# Altium PCB PCB.PcbDoc
Units mm, origin at the board's own origin, x right, y up, seen from the top; angles counter-clockwise.
Board outline 90 x 80 mm, 4 copper layers (Top Layer, Layer 1, Layer 2, Bottom Layer), stack 1.586 mm thick; 63 components, 59 nets, 272 pads, 100 vias.
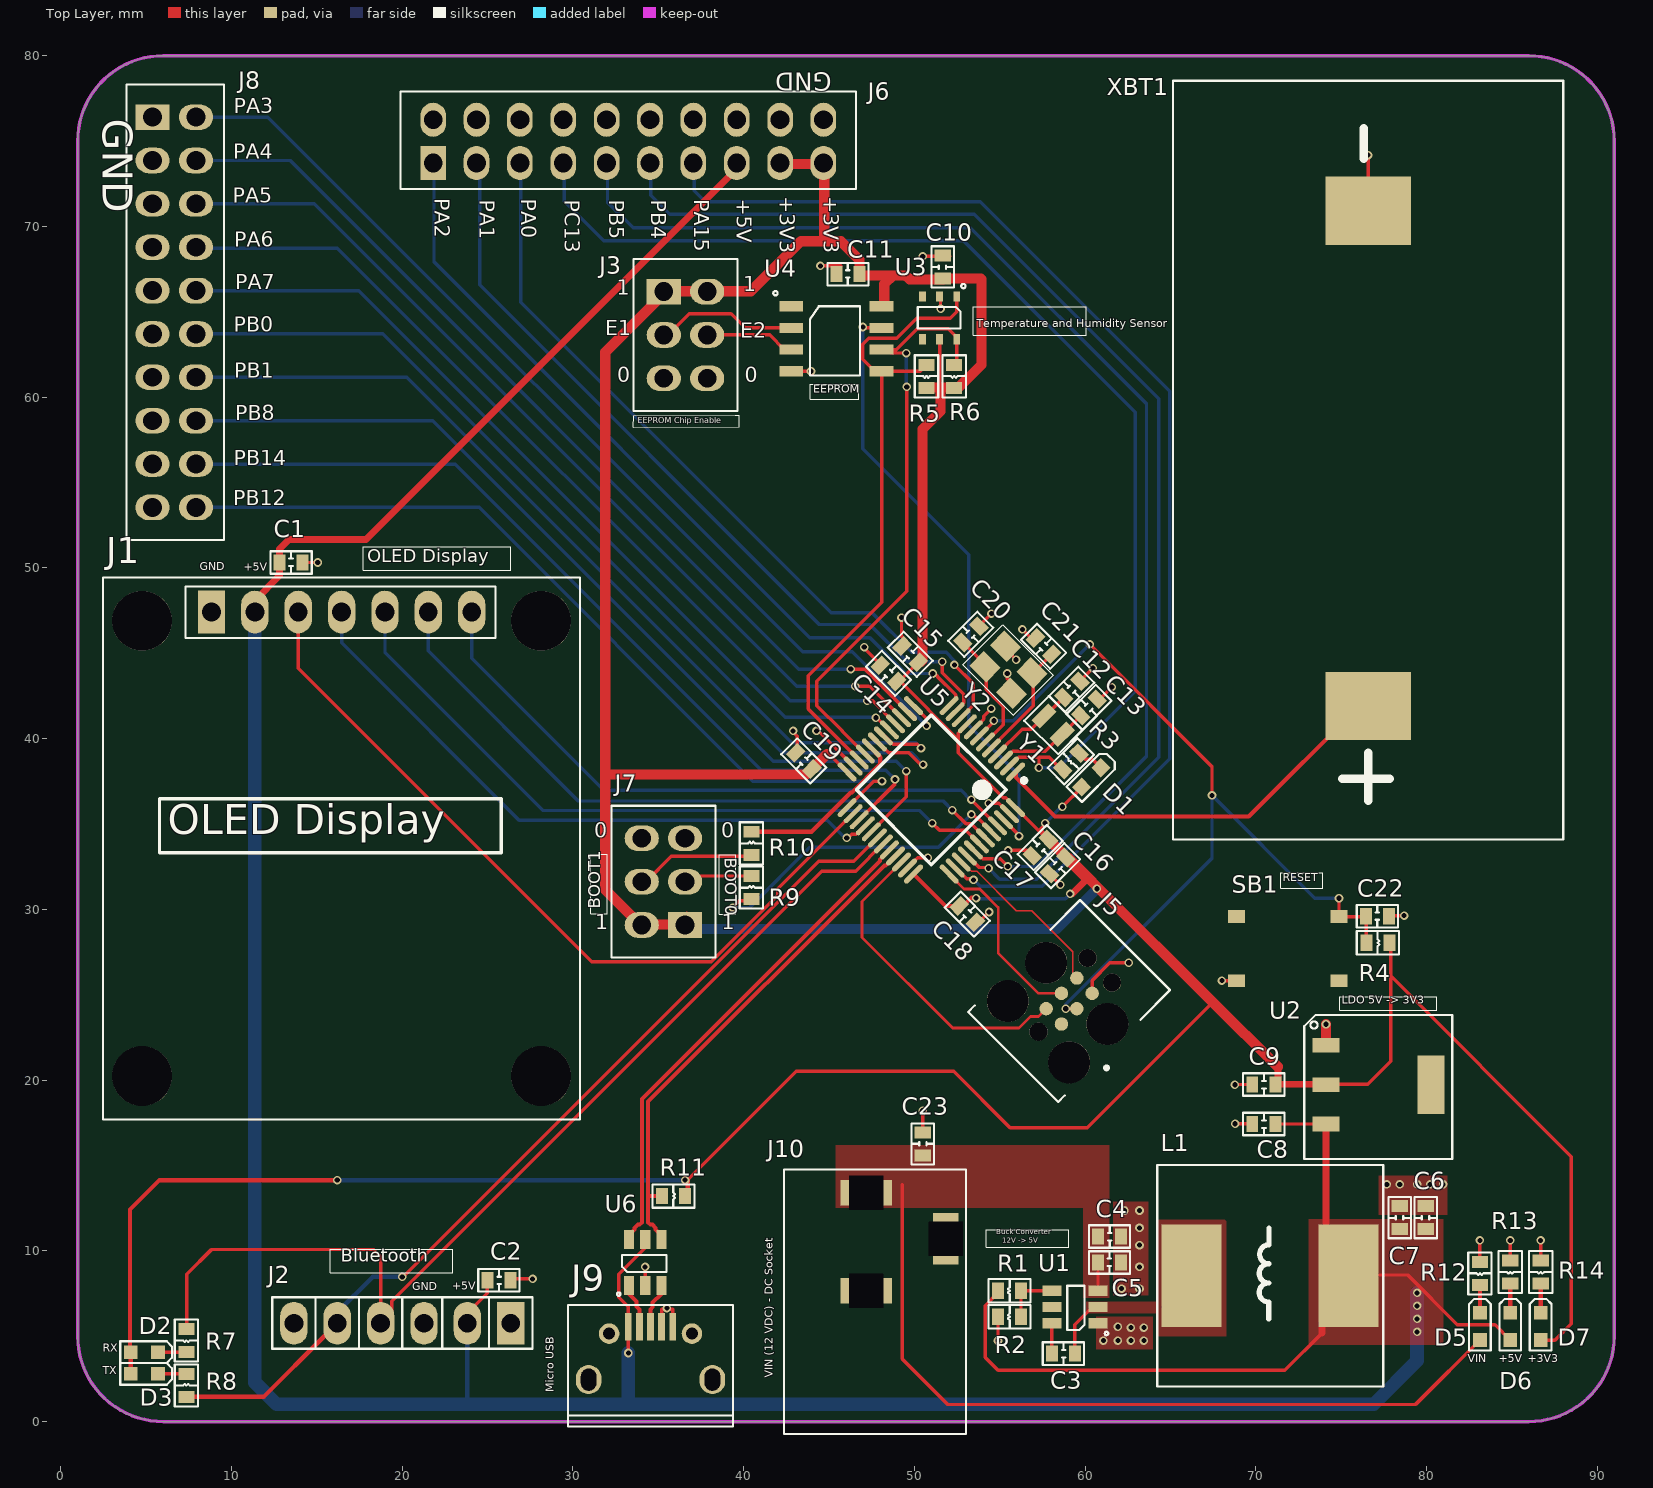
[diagram p0: Top Layer view]
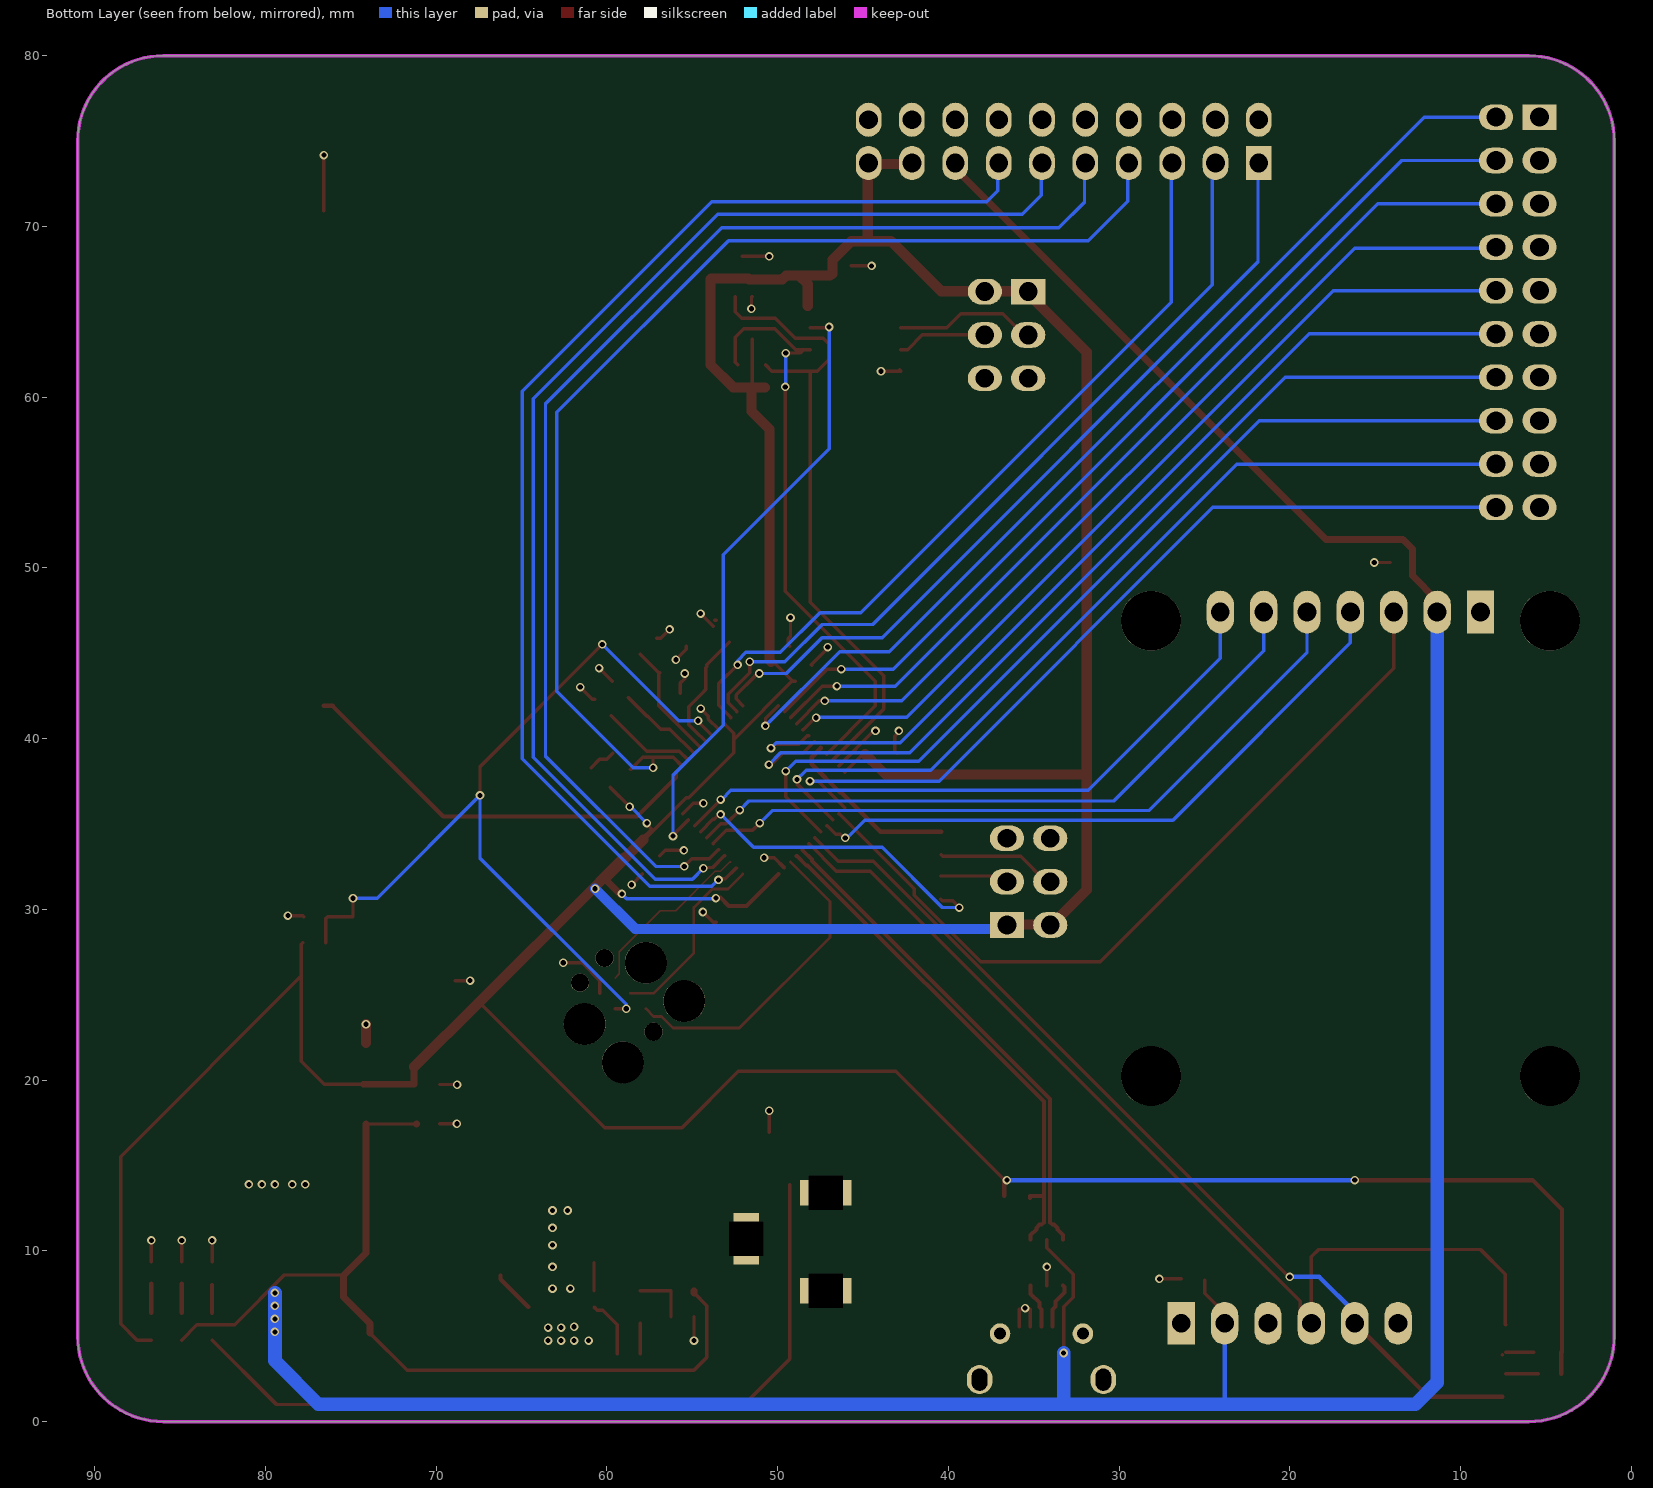
[diagram p1: Bottom Layer view, seen from below]
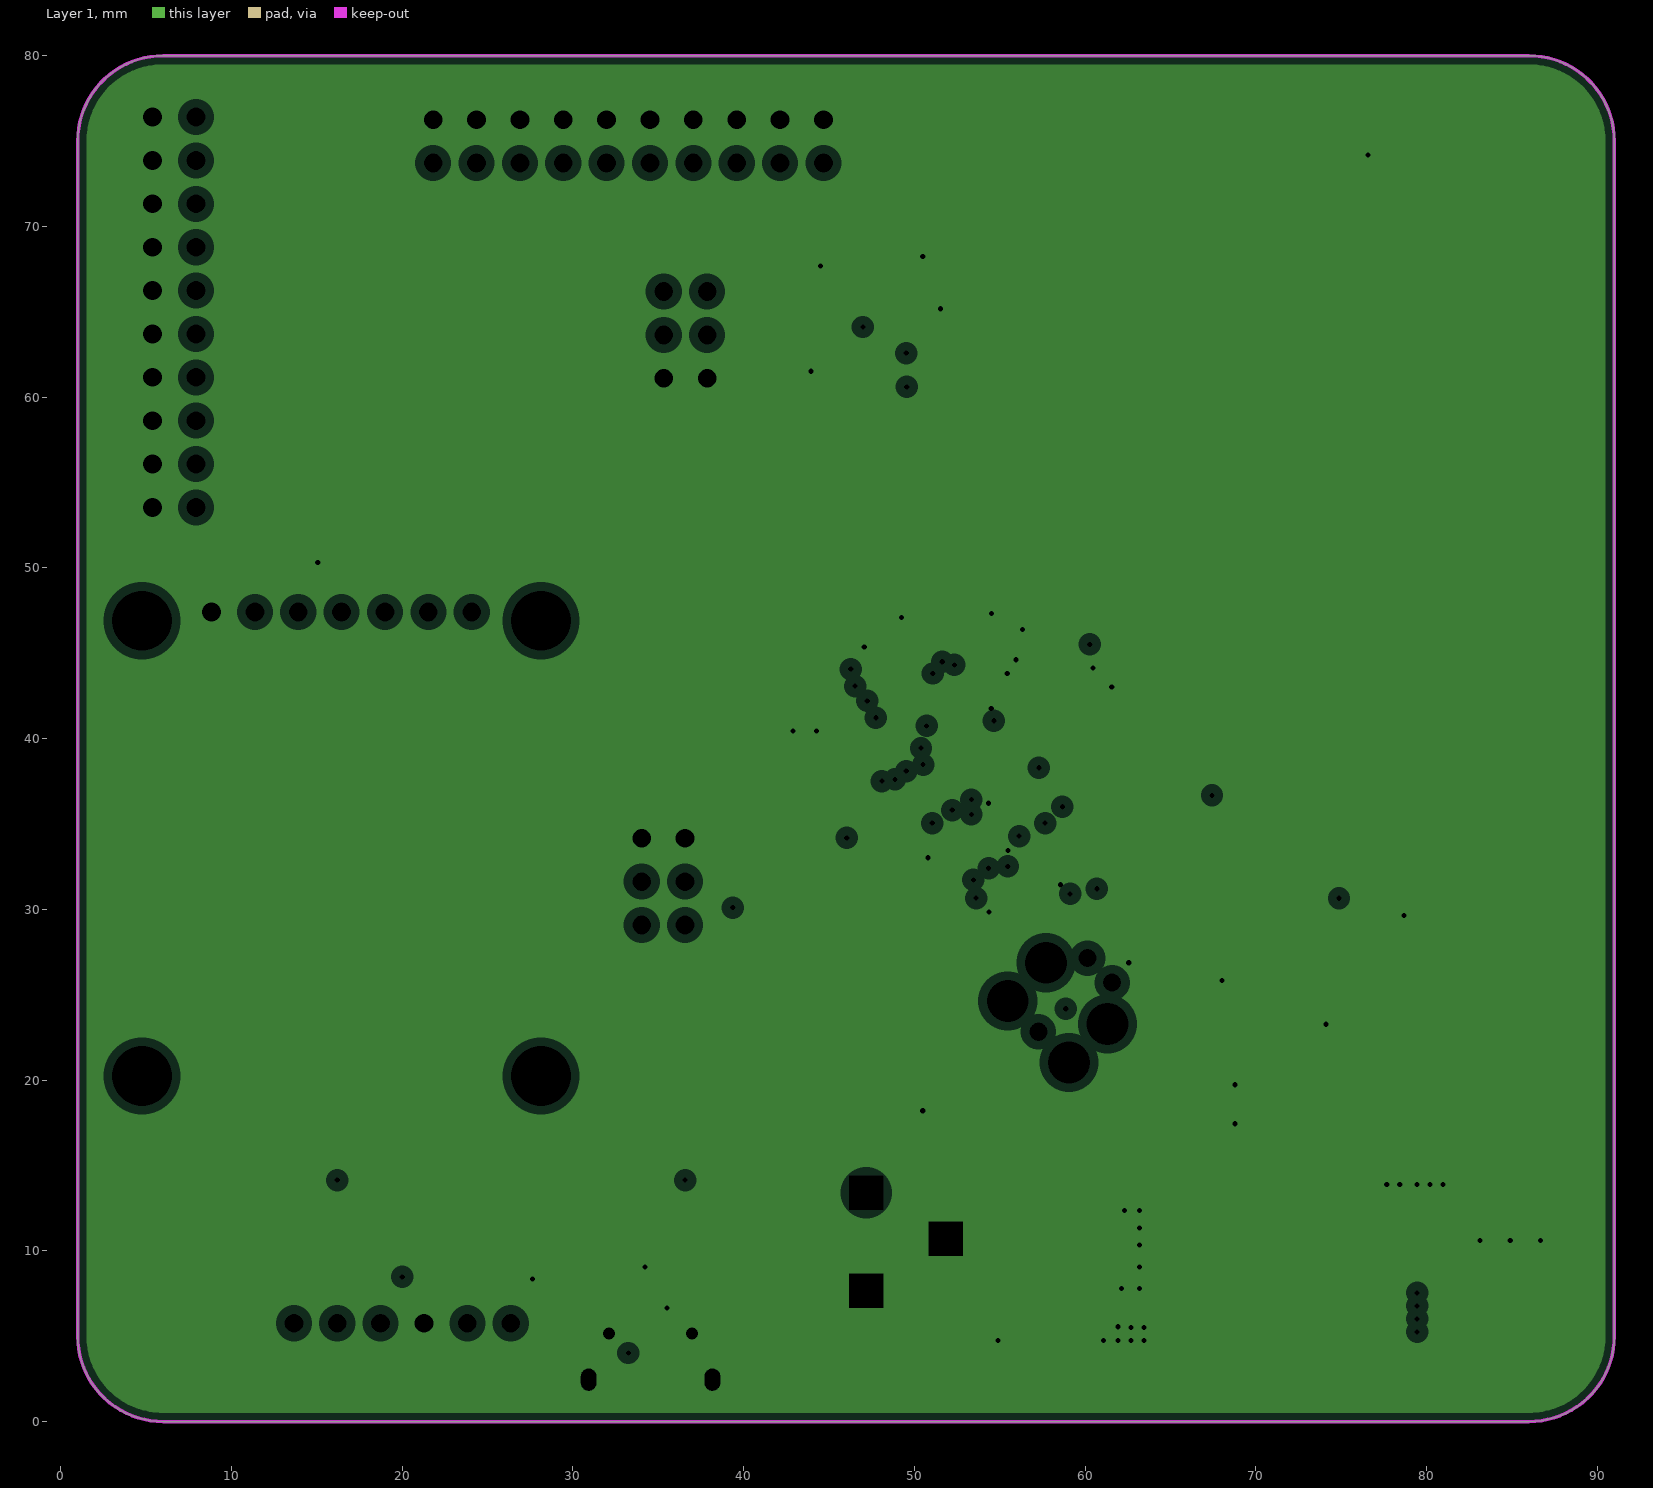
[diagram p2: Layer 1, clearances drawn from the general rule]
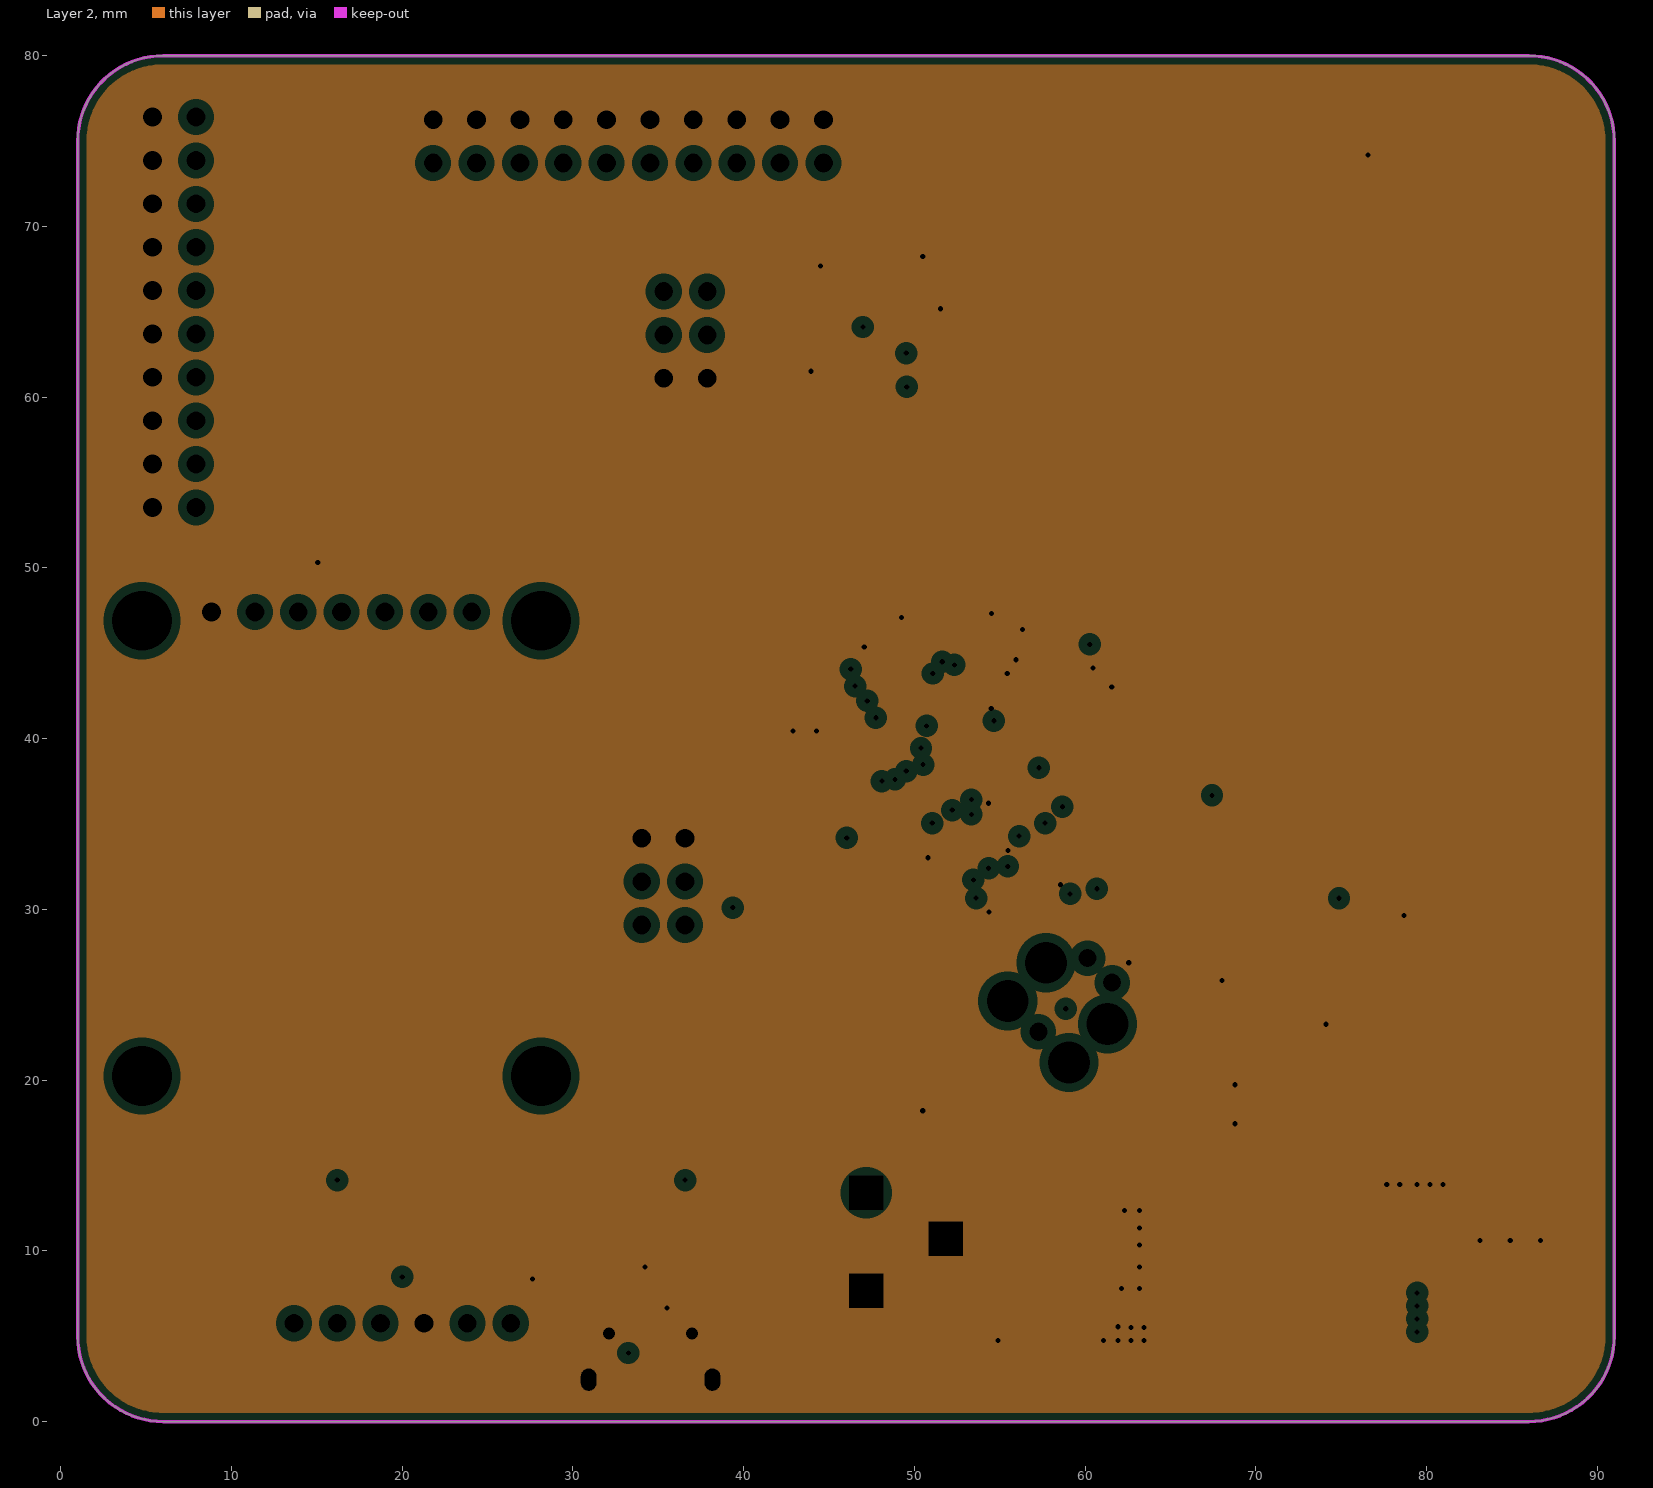
[diagram p3: Layer 2, clearances drawn from the general rule]
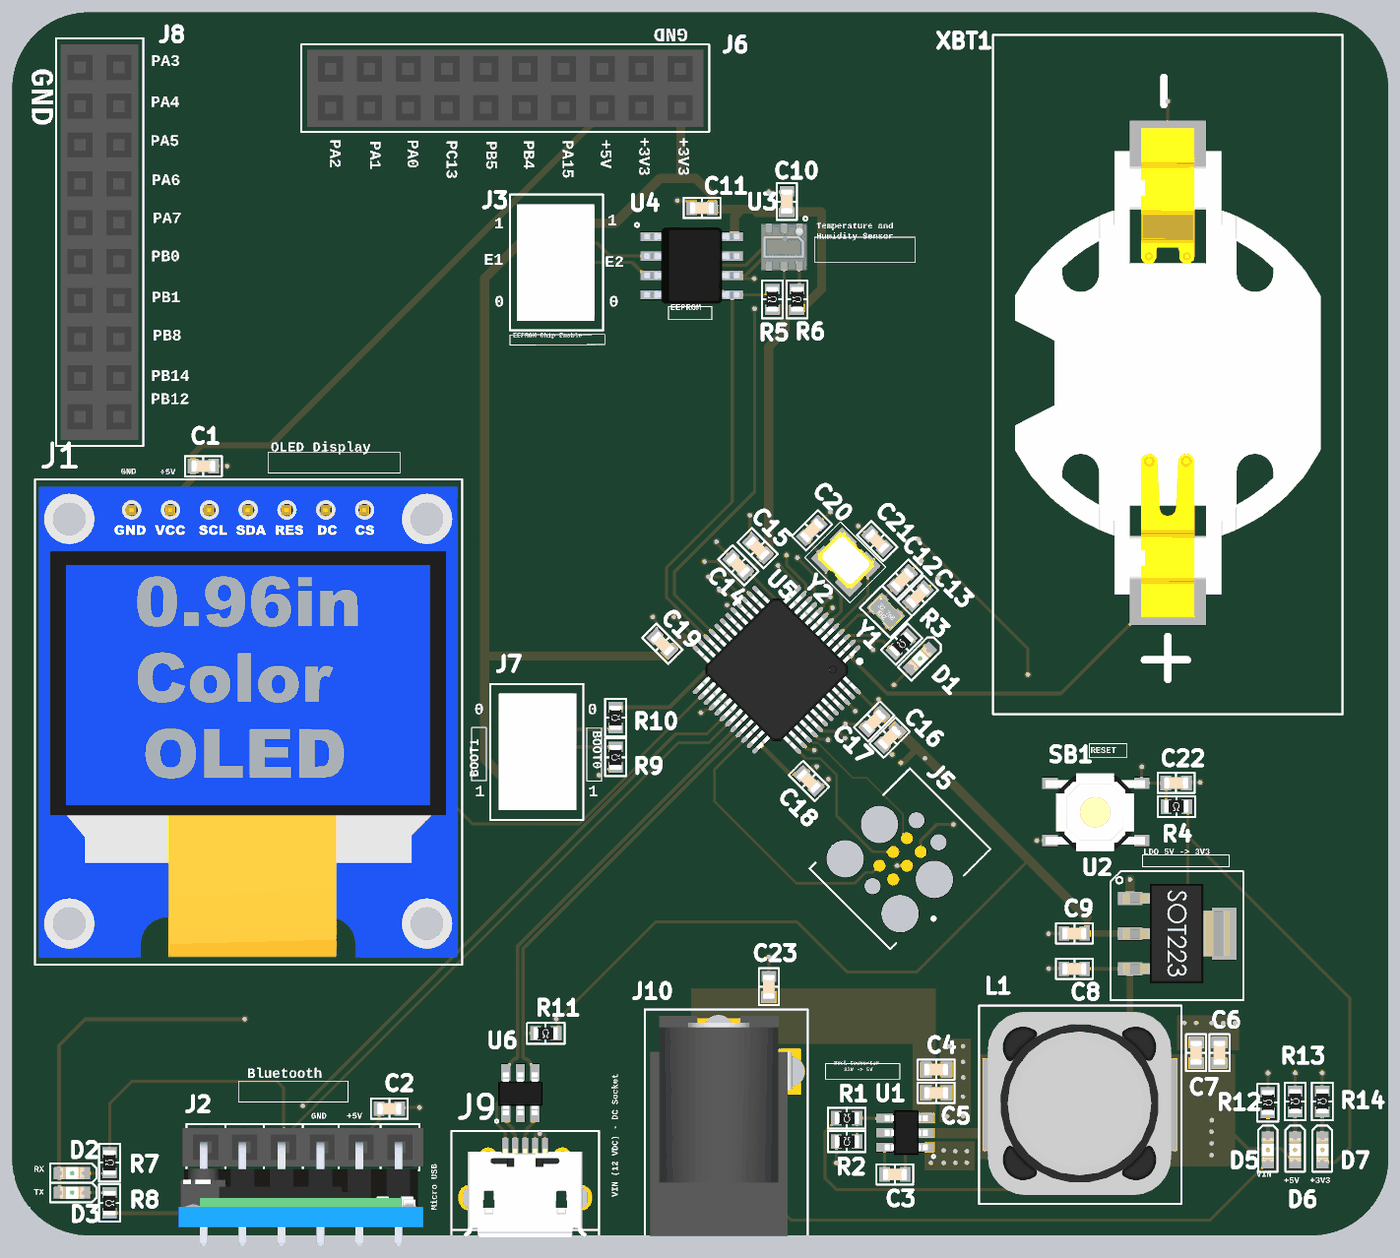
[diagram p4: 3D render of the assembled board from above, using the file's embedded part models]

## Layer stack, top to bottom
Top Solder: solder mask 0.0102, Solder Resist, Dk 3.5
Top Layer: signal copper 0.035
Dielectric 2: prepreg 0.2104, PP-023, Dk 4.5
Layer 1: plane copper 0.0152, net GND
Dielectric 1: dielectric 1.065, FR-4, Dk 4.8
Layer 2: plane copper 0.0152, net GND
Dielectric 3: prepreg 0.2104, PP-023, Dk 4.5
Bottom Layer: signal copper 0.035
Bottom Solder: solder mask 0.0102, Solder Resist, Dk 3.5

## Board outline
6,0 cw(c6,5) 1,5 1,75 cw(c6,75) 6,80 86,80 cw(c86,75) 91,75 91,37 91,5 cw(c86,5) 86,0

## Design rules (kind name [scope] priority, off if disabled: settings)
Clearance [All] p1: gap=0.2 ignorepadtopadclearanceinfootprint=FALSE except(0.1: Arc-Arc Arc-Track Track-Track; 0.28: Arc-Hole Track-Hole SMDPad-Hole THPad-Hole Via-Hole Fill-Hole Poly-Hole Region-Hole Text-Hole; 0.3: Arc-Text Track-Text SMDPad-Text THPad-Text Via-Text Fill-Text Poly-Text Region-Text Text-Text)
DiffPairsRouting [InDifferentialPair('USB')] p1: maxlimit=0.127 minlimit=0.127 mostfreqgap=0.127 toplayer_minwidth=0.232 toplayer_maxwidth=0.232 toplayer_prefwidth=0.232 bottomlayer_minwidth=0.232 bottomlayer_maxwidth=0.232 bottomlayer_prefwidth=0.232 impedanceprofiledriven=TRUE impedanceprofileid={CCE5283F-F986-4297-A4DB-CE19BC9F6F1B} maxuncoupledlength=12.7
DiffPairsRouting DiffPairsRouting_1 [InDifferentialPair('USB_UP')] p2: maxlimit=0.127 minlimit=0.127 mostfreqgap=0.127 toplayer_minwidth=0.232 toplayer_maxwidth=0.232 toplayer_prefwidth=0.232 bottomlayer_minwidth=0.232 bottomlayer_maxwidth=0.232 bottomlayer_prefwidth=0.232 impedanceprofiledriven=TRUE impedanceprofileid={CCE5283F-F986-4297-A4DB-CE19BC9F6F1B} maxuncoupledlength=12.7
Height [All] p1: minheight=0 maxheight=50 prefheight=12.7
HoleToHoleClearance [All] p1: gap=0.25 allowstackedmicrovias=TRUE
MinimumAnnularRing [All] p1: minimumring=0.1
MinimumSolderMaskSliver [All] p1: minsoldermaskwidth=0.1
PlaneClearance [All] p1: clearance=0.508
PlaneConnect [All] p1: planeconnectstyle=Direct reliefexpansion=0.508 reliefentries=4 reliefconductorwidth=0.254 reliefairgap=0.254
PolygonConnect [All] p1: connectstyle=Direct reliefconductorwidth=0.254 reliefentries=4 polygonreliefangle="90 Angle" airgapwidth=0.254
RoutingVias [All] p1: holewidth=0.2 width=0.5 viastyle="Through Hole" minholewidth=0.3 minwidth=0.45 maxholewidth=1 maxwidth=1
SilkToSilkClearance [All] p1: silktosilkclearance=0
SilkToSolderMaskClearance [IsPad] p1: minsilkscreentomaskgap=0.11 clearancetoexposedcopper=TRUE
SolderMaskExpansion [All] p1: expansion=0.038
Width [All] p1: maxlimit=5 minlimit=0.09 preferedwidth=0.2 minimp=50.000000 maximp=50.000000 favimp=50.000000
22 further rules are at their usual default settings.

## Classes and differential pairs
component class MCU_: 45 C12 C13 C14 C15 C16 C17 C18 C19 C20 C21 C22 D1 D2 D3 J5 J6 J7 J8 J9 R3 R4 R5 R6 R7 R8 R9 R10 R11 SB1 U5 U6 XBT1 Y1 Y2
component class "EEPROM and Temperature Sensor": C10 C11 J3 U3 U4
component class "Buck Converter and LDO": C3 C4 C5 C6 C7 C8 C9 C23 D5 D6 D7 J10 L1 R1 R2 R12 R13 R14 U1 U2
component class "Bluetooth and OLED Display": C1 C2 J1 J2
differential pair USB: +USB_P -USB_N
differential pair USB_UP: +USB_UP_P -USB_Up_N

## Components (designator, comment, footprint, x,y, rotation, side; value= is the part's Value field where it differs from the comment)
C1 "100nF" "CAP 0603" 14.177,50.317 r180 top
C2 "100nF" "CAP 0603" 24.994,8.28 r0 top
C3 "100nF" "CAP 0603" 58.06,3.98 r0 top
C4 "10uF" "CAP 0603" 60.76,10.838 r0 top
C5 "100nF" "CAP 0603" 62.11,9.314 r180 top
C6 "22uF" "CAP 0603" 79.956,12.616 r270 top
C7 "22uF" "CAP 0603" 78.432,12.616 r270 top
C8 "10uF" "CAP 0603" 69.796,17.428 r0 top
C9 "22uF" "CAP 0603" 69.796,19.742 r0 top
C10 "100nF" "CAP 0603" 51.664,68.304 r270 top
C11 "100nF" "CAP 0603" 46.787,67.208 r180 top
C12 "10pF" "CAP 0603" 59.702,43.365 r225 top
C13 "10pF" "CAP 0603" 60.711,42.304 r225 top
C14 "10 nF" "CAP 0603" 48.013,44.305 r315 top
C15 "1 uF" "CAP 0603" 49.283,45.423 r315 top
C16 "4.7uF" "CAP 0603" 57.919,32.08 r45 top
C17 "100nF" "CAP 0603" 56.903,33.141 r45 top
C18 "100nF" "CAP 0603" 53.583,29.246 r135 top
C19 "100nF" "CAP 0603" 43.053,39.172 r315 top
C20 "10pF" "CAP 0603" 53.785,46.591 r225 top
C21 "10pF" "CAP 0603" 57.096,45.89 r315 top
C22 "100nF" "CAP 0603" 77.8,29.591 r180 top
C23 "100nF" "CAP 0603" 50.492,15.584 r90 top
D1 "LED GREEN" "LED GREEN" 59.8,37.164 r45 top
D2 "LED GREEN" "LED GREEN" 4.102,4.064 r0 top
D3 "LED GREEN" "LED GREEN" 4.102,2.794 r0 top
D5 "LED RED" "LED RED" 83.131,4.773 r90 top
D6 "LED RED" "LED RED" 84.909,4.773 r90 top
D7 "LED RED" "LED RED" 86.687,4.773 r90 top
J1 "Display Male Header" "OLED Display" 8.836,47.414 r0 top
J2 "Bluetooth Female Header" "HC-05 Bluetooth" 26.362,5.758 r180 top
J3 "BOOT0 and BOOT 1 connector" "2X3 Female Pin Header Connector" 35.328,66.058 r0 top
J5 "POGO Pins" SEGGER_8.06.16_J-LINK_6-PIN_NEEDLE_ADAPTER 59.069,24.631 r45 top
J6 "Connector Pinheader Female 10x2" "Connector Pinheader 10x2" 21.819,73.711 r90 top
J7 "BOOT0 and BOOT 1 connector" "2X3 Female Pin Header Connector" 36.576,29.21 r180 top
J8 "Connector Pinheader Female 10x2" "Connector Pinheader 10x2" 5.385,76.403 r0 top
J9 "Connector USB MICRO" "Connector USB MICRO" 34.55,5.556 r90 top
J10 "DC Socket" "DC Socket" 47.19,7.658 r90 top
L1 "68uH" "Inductor SMD,12.3x12.3mm" 66.24,8.552 r90 top
R1 "100kR" "RES 0603" 56.252,7.658 r180 top
R2 "13k3R" "RES 0603" 56.252,6.134 r180 top
R3 "1kR" "RES 0603" 59.651,39.148 r225 top
R4 "10kR" "RES 0603" 76.476,28.044 r0 top
R5 "4.7kR" "RES 0603" 50.715,61.896 r270 top
R6 "4.7kR" "RES 0603" 52.333,61.896 r270 top
R7 "1kR" "RES 0603" 7.366,5.414 r270 top
R8 "1kR" "RES 0603" 7.366,1.444 r90 top
R9 "10kR" "RES 0603" 40.462,30.603 r90 top
R10 "10kR" "RES 0603" 40.462,33.195 r90 top
R11 "4.7kR" "RES 0603" 35.226,13.208 r0 top
R12 "1kR" "RES 0603" 83.131,9.345 r270 top
R13 "1kR" "RES 0603" 84.909,9.425 r270 top
R14 "1kR" "RES 0603" 86.687,9.425 r270 top
SB1 "TS-1187A-B-A-B" Switch 74.876,25.824 r180 top
U1 "TPS54202" SOT-23-6 60.76,5.758 r180 top
U2 "AMS1117-3.3" SOT-223-3L 74.114,22.028 r270 top
U3 "HDC1080" "PWSON(6-pin) DMB" 52.486,65.898 r270 top
U4 "M24M01-RMN6TP" SO8N 48.09,65.329 r270 top
U5 "STM32F103C8T6" STM32F103C8T6 51,37 r225 top
U6 "TPUSBLC6-2SC6" SOT-23-6 33.286,7.964 r90 top
XBT1 "VBAT" "Battery Holder VBAT" 76.581,70.917 r270 top
Y1 "32.768kHz" SMD2012-2P 57.604,41.318 r315 top
Y2 "Crystal 10pF ±10ppm ±15ppm SMD3225" SMD3225-4P 55.348,45.414 r315 top

## Footprints (in the part's own frame and the unit in brackets; to place one, negate y for a bottom-side part, rotate by r counter-clockwise, add the part's x,y. Pads: shape width x height; smd on the part's side, far side on the other; paste and mask are expansions set on the pad)
"2X3 Female Pin Header Connector" [mm]
  rect 2x1.5 hole 1.1: 1(0,0.127)
  oval 2x1.5 hole 1.1: 2(2.54,0.127) 3(0,-2.413) 4(2.54,-2.413) 5(0,-4.953) 6(2.54,-4.953)
  silkscreen extent -1.78,-6.86 4.32,2.03, body extent -1.32,-6.25 3.76,1.39, height 8.93
"Battery Holder VBAT" [mm] "Battery holder CR2032 SMD Button And Strip Battery Connector ROHS"
  rect 4x5 smd: 1(0,0) 2(29,0)
  silkscreen extent -7.62,-11.43 36.83,11.43, body extent -1.5,-10 30.5,10, height 5.3
"CAP 0603" [mm]
  rect 0.7x0.95 smd: 1(0,0) 2(1.35,0)
  silkscreen extent -0.53,-0.66 1.88,0.66, body extent -0.13,-0.4 1.47,0.4, height 0.81
"Connector Pinheader 10x2" [mm] "20 Position Header Connector 0.100\" (2.54mm) Through Hole Gold"
  rect 2x1.5 hole 1.1: 1(0,0)
  oval 2x1.5 hole 1.1: 2(0,-2.54) 3(0,-5.08) 4(0,-7.62) 5(0,-10.16) 6(0,-12.7) 7(0,-15.24) 8(0,-17.78) 9(0,-20.32) 10(0,-22.86) 11(2.54,-22.86) 12(2.54,-20.32) 13(2.54,-17.78) 14(2.54,-15.24) 15(2.54,-12.7) 16(2.54,-10.16) 17(2.54,-7.62) 18(2.54,-5.08) 19(2.54,-2.54) 20(2.54,0)
  silkscreen extent -1.52,-24.77 4.19,1.91, body extent -1.22,-24.38 3.86,1.52, height 8.51
"Connector USB MICRO" [mm] "1.8A USB 2.0 1 Horizontal attachment 5P Mother -20?~+85? Micro-B SMD USB Connectors ROHS"
  rect 1.6x0.4 smd: 1(0,1.3) 2(0,0.65) 3(0,0) 4(0,-0.65) 5(0,-1.3)
  oval 1.7x1.5 hole 0.9 slot 1.3 at 0 deg: SH(-3.1,3.625) SH(-3.1,-3.625)
  round 1.2 hole 0.7: SH(-0.406,2.425) SH(-0.406,-2.425)
  silkscreen extent -5.84,-4.83 1.27,4.83, body extent -5.69,-4.02 0.11,4.03, height 2.7
"DC Socket" [mm]
  rect 1.5x3 hole 2 square: 1(5.75,0) 2(0,0)
  rect 3x1.5 hole 2 square: 3(3.05,-4.65)
  silkscreen extent -8.38,-5.84 7.11,4.83, body extent -7.71,-4.83 6.69,4.47, height 11.5
"HC-05 Bluetooth" [mm]
  rect 1.6x2.5 hole 1.1: 1(0,0)
  oval 1.6x2.5 hole 1.1: 2(2.54,0) 3(5.08,0) 4(7.62,0) 5(10.16,0) 6(12.7,0)
  silkscreen extent -1.27,-1.52 13.97,1.5, body extent -1.52,-1.27 14.48,6.48, height 48.26
"Inductor SMD,12.3x12.3mm" [mm] "2.1A 68uH ±20% 140mO SMD,12.3x12.3mm Inductors (SMD) ROHS"
  rect 6x3.5 smd: 1(0,0) 2(0,-9.2)
  silkscreen extent -6.5,-11.23 6.47,2.01, body extent -5.92,-10.57 6.08,1.43, height 7.66
"LED GREEN" [mm]
  rect 0.8x0.8 smd: 1(1.6,0) 2(0,0)
  silkscreen extent -0.61,-0.63 2.41,0.63, body extent 0.01,-0.41 1.61,0.39, height 0.55
"LED RED" [mm]
  rect 0.8x0.8 smd: 1(1.6,0) 2(0,0)
  silkscreen extent -0.61,-0.64 2.41,0.64, body extent 0.01,-0.4 1.61,0.4, height 0.55
"OLED Display" [mm] "0.95\" Inch 7 Pin Colorful 65K SPI OLED Display Module SSD1331 9664 Resolution For 51 STM32 Arduino"
  rect 1.6x2.5 hole 1.1: 1(0,0)
  oval 1.6x2.5 hole 1.1: 2(2.54,0) 3(5.08,0) 4(7.62,0) 5(10.16,0) 6(12.7,0) 7(15.24,0)
  round 3.5 hole 3.5: 8(-4.064,-27.178) 8(-4.064,-0.508) 8(19.304,-27.178) 8(19.304,-0.508)
  silkscreen extent -6.35,-29.72 21.59,2.03, body extent -6.1,-29.24 21.29,1.55, height 8.89
"PWSON(6-pin) DMB" [mm] "HDC1080 Low Power, High Accuracy Digital Humidity Sensor with Temperature Sensor"
  rect 0.6x0.4 smd: 1(0,0) 2(0,-1) 3(0,-2) 4(2.5,-2) 5(2.5,-1) 6(2.5,0)
  silkscreen extent -0.74,-2.29 1.88,0.52, body extent -0.26,-2.5 2.76,0.5, height 0.75
"RES 0603" [mm]
  rect 0.7x0.95 smd: 1(0,0) 2(1.35,0)
  silkscreen extent -0.56,-0.69 1.91,0.69, body extent -0.14,-0.4 1.46,0.4, height 0.47
SEGGER_8.06.16_J-LINK_6-PIN_NEEDLE_ADAPTER [mil]
  round 30.98 smd paste-39.37: 1(-50,-25) 2(-50,25) 3(0,-25) 4(0,25) 5(50,-25) 6(50,25)
  round 96.5 hole 96.5 unplated: ""(-100,100) ""(-100,-100) ""(25,-100) ""(25,100)
  round 42.01 hole 42.01 unplated: ""(-100,0) ""(100,-40) ""(100,40)
  silkscreen extent -183,-174 183,147
SMD2012-2P [mm] "32.768kHz Surface Mount Crystal 7pF ±20ppm SMD2012-2P Crystals ROHS"
  rect 0.7x1.4 smd: 1(0,0) 2(1.5,0)
  silkscreen extent -0.63,-1.02 2.16,1.02, body extent -0.26,-0.61 1.79,0.59, height 0.65
SMD3225-4P [mm] "8MHz Surface Mount Crystal 10pF ±10ppm ±15ppm SMD3225-4P Crystals ROHS"
  rect 1.4x1.2 smd: 1(0,-1.7) 2(2.2,-1.7) 3(2.2,0) 4(0,0)
  silkscreen extent -1.02,-2.54 3.18,0.76, body extent -0.58,-2.01 2.62,0.49, height 1.05
SO8N [mm] "EEPROM Memory IC 1Mbit I2C 1 MHz 500 ns 8-SOIC"
  rect 0.6x1.4 smd: 1(0,-5.3) 2(1.27,-5.3) 3(2.54,-5.3) 4(3.81,-5.3) 5(3.81,0) 6(2.54,0) 7(1.27,0) 8(0,0)
  silkscreen extent -0.89,-6.35 4.06,-1.27, body extent -0.61,-5.76 4.39,0.48, height 2.09
SOT-23-6 [mm] "Buck Converter TPS54202"
  rect 1.1x0.6 smd: 1(0,0) 2(0,-0.95) 3(0,-1.9) 4(2.7,-1.9) 5(2.7,-0.95) 6(2.7,0)
  Top Layer pour cut-out: 2.408,-1.392
  Top Layer pour cut-out: 0.508,0.508